# Allegro board AIC8800D80P_EVB_V2-PCB.brd
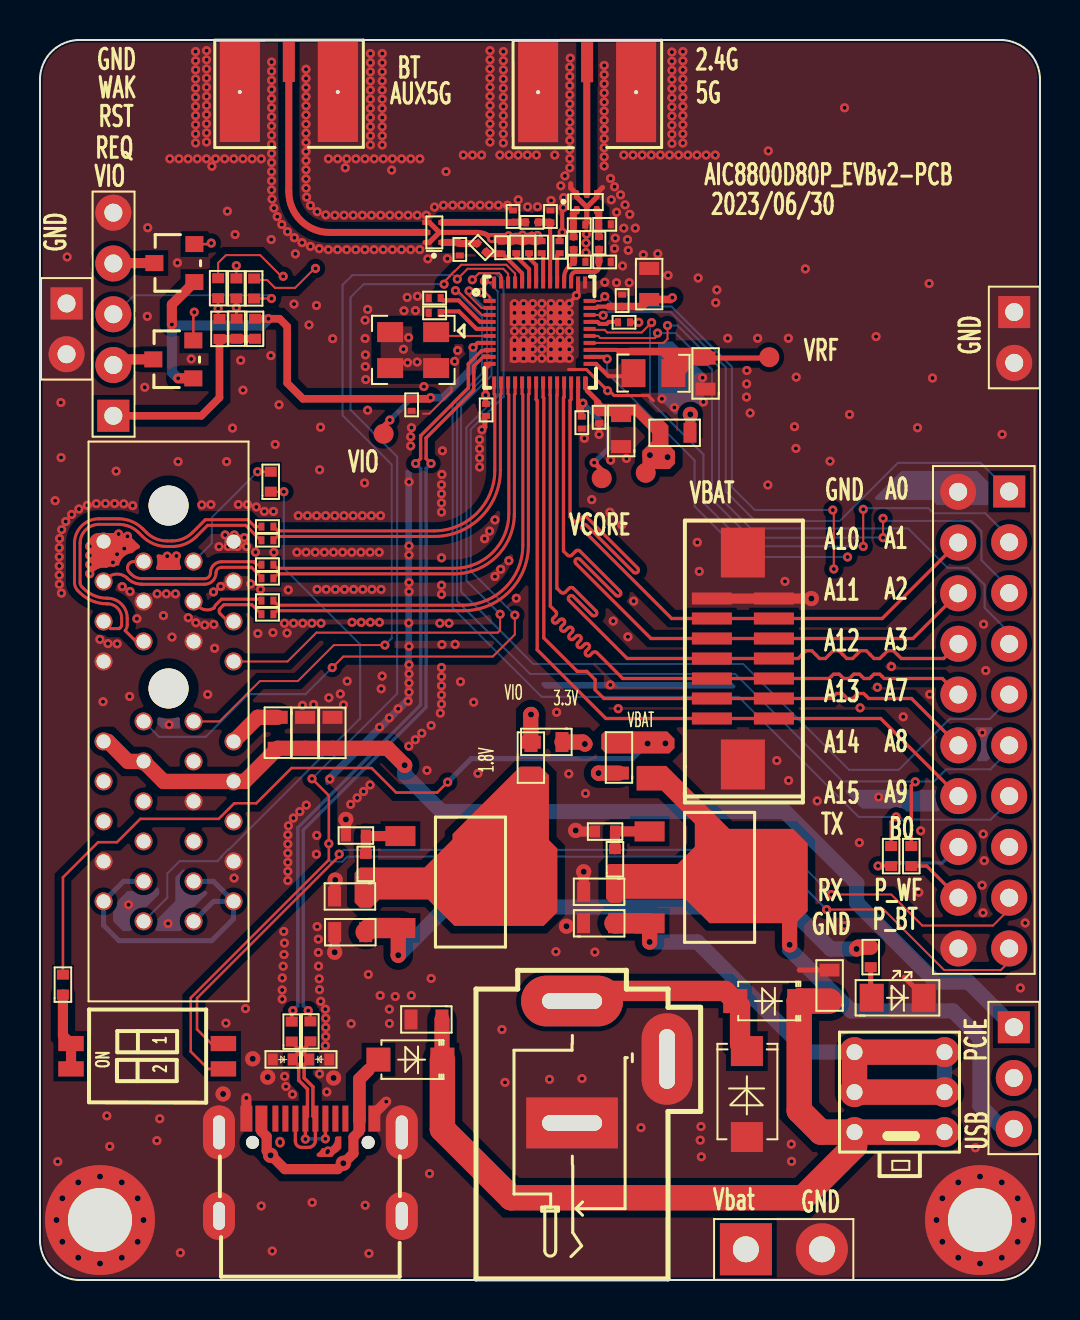
[diagram p0: board, top side]
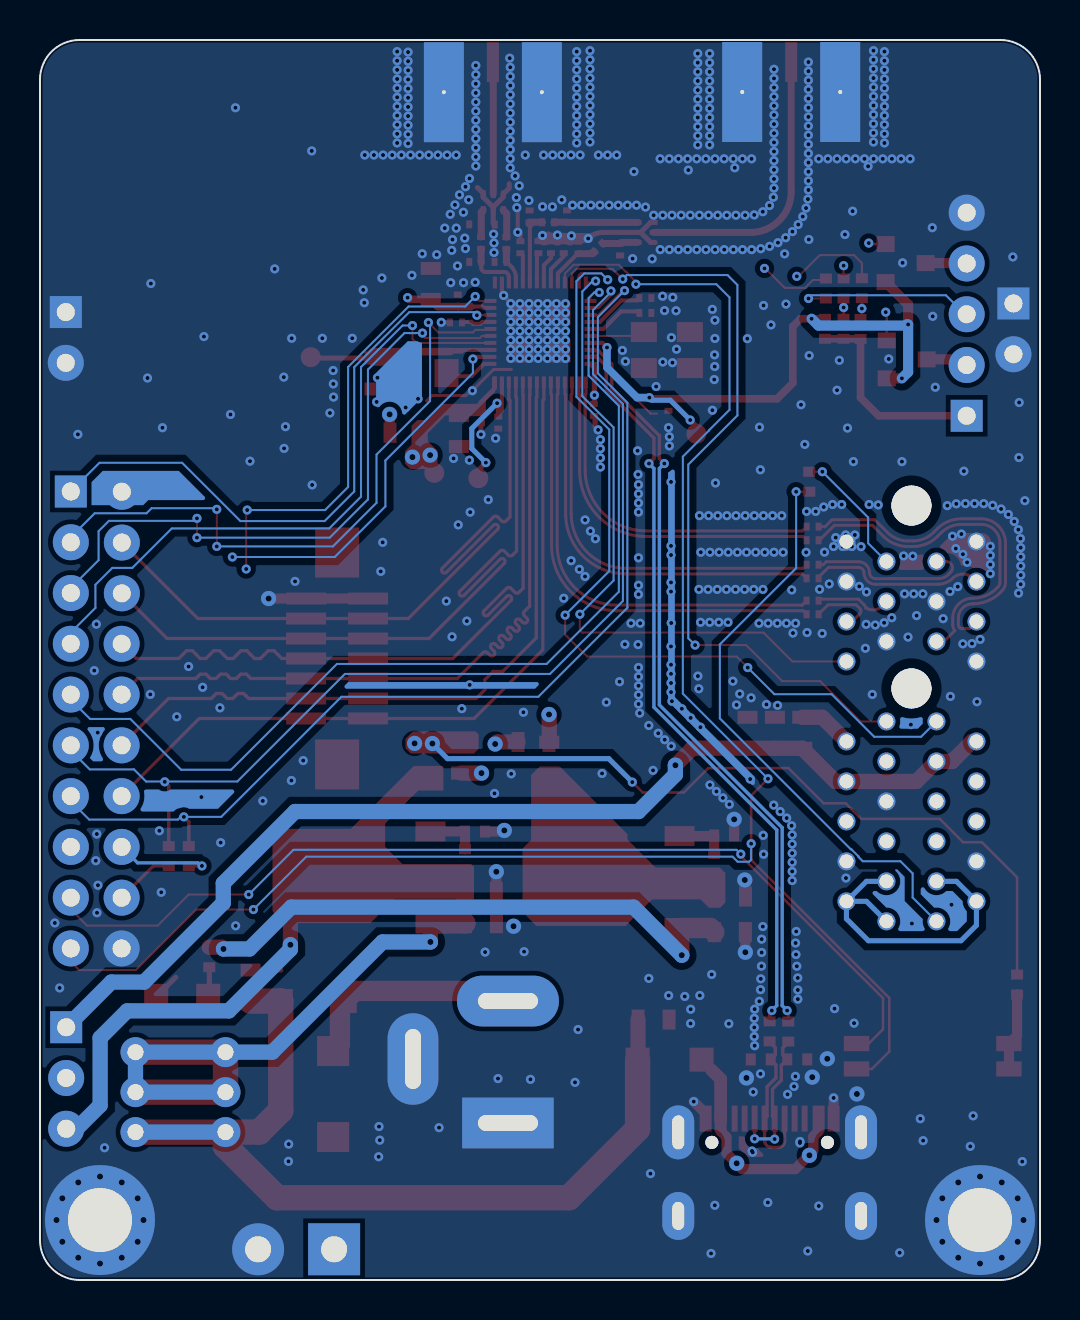
[diagram p1: board, bottom side, seen from below]

Outline 50 x 62.03 mm; copper layers: TOP, L2_GND, L3_VCC, BOTTOM. Coordinates in mm from the lower left corner of the outline.
Outline path: 0,60.05 0,2 arc(0.59,0.59) 2,0 48,0 arc(49.41,0.59) 50,2 50,60.05 arc(49.42,61.45) 48.02,62.03 1.98,62.03 arc(0.58,61.45) 0,60.05

## Design rules (mm)
net group PCIE_CLK_N: nets N17023119 PCIE_CLK_N
net group PCIE_CLK_P: nets N17023116 PCIE_CLK_P
net group PCIE_RX_N: nets N17023107 PCIE_RX_N
net group PCIE_RX_P: nets N17023105 PCIE_RX_P
net group PCIE_TX_N: nets N17023113 PCIE_TX_N
net group PCIE_TX_P: nets N17023110 PCIE_TX_P
net group USB_DM: nets N17026338 USB_DM
net group USB_DP: nets N17026336 USB_DP

## Placement (name value [footprint] x y rotation side)
C1  1uF  [C0201]  24.45 51.67 90 top
C2  1uF  [C0201]  25.08 51.67 270 top
C3  NC  [C0201]  25.52 53.21 90 top
C4  0.5pF  [C0201]  23.65 53.21 90 top
C5  1pF  [C0201]  20.99 51.55 270 top
C6  NC  [C0201]  23.08 51.64 90 top
C7  NC  [C0201]  26.97 50.93 0 top
C8  2pF  [C0201]  26.96 52.79 0 top
C9  NC  [C0201]  28.24 50.93 0 top
C10  0.5pF  [C0201]  28.24 52.81 0 top
C11  1uF  [C0201]  29.2 47.91 180 top
C12  4.7uF  [C0603]  30.46 49.83 270 top
C13  1uF  [C0201]  29.11 48.99 270 top
C14  1uF  [C0201]  19.73 49.12 0 top
C15  1uF  [C0201]  19.73 48.38 0 top
C16  1uF  [C0201]  18.58 43.78 90 top
C17  1uF  [C0201]  22.3 43.53 90 top
C18  1uF  [C0201]  27.09 42.89 90 top
C19  4.7uF  [C0603]  33.27 45.34 90 top
C20  10uF  [C0603]  15.51 17.4 0 top
C21  4.7uF  [C0603]  29.06 42.47 90 top
C22  10uF  [C0603]  19.32 13.03 180 top
C24  10uF  [C0603]  27.96 19.42 180 top
C25  10uF  [C0603]  27.95 17.85 0 top
C26  10uF  [C0603]  15.5 19.18 180 top
C27  1uF  [C0201]  27.95 43.16 90 top
C31  10uF  [C0603]  39.47 14.73 90 top
C39  100nF  [C0201]  11.37 33.3 180 top
C40  100nF  [C0201]  11.37 33.99 180 top
C41  100nF  [C0201]  11.37 35.1 180 top
C42  100nF  [C0201]  11.37 35.78 180 top
C43  0R  [C0201]  11.37 37.01 180 top
C44  0R  [C0201]  11.37 37.69 180 top
C45  2pF  [C0201]  27.95 51.88 90 top
C46  1.2pF  [C0201]  24.59 52.91 180 top
C47  10uF  [C0603]  13.25 27.38 270 top
C48  10uF  [C0603]  14.62 27.38 270 top
CON5  DC-005  [PWC0103-M-C]  26.6 7.86 270 top
D1  RB160M-30  [SOD-123FL_3P2_2P9X1P9]  36.36 13.95 180 top
D2  SMAJ5.0CA  [SMA_4P3_4P5X3P0]  35.34 9.3 90 top
D3  0402ESDA-MLP  [D0402]  13.96 11.03 0 top
D4  0402ESDA-MLP  [D0402]  12.13 11.04 180 top
D5  RB160M-30  [SOD-123FL_3P2_2P9X1P9]  18.52 11.02 180 top
J2  PCIE_1X  [PCIE_1X_36P_DIP]  5.18 17.94 90 top
J3  NC/FPC-LT_7P  [FPC-LT_1P0_7P]  35.14 31.09 90 top
J4  SMA-5P  [SMA_KE_3P_0P2_GAP0P75]  12.44 59.43 270 top
J5  SMA-5P  [SMA_KE_3P_0P2_GAP0P75]  27.36 59.42 270 top
J8  HEADER2  [CON2_3P8_3P8X7P6_TESTPWR]  35.29 1.54 0 top
J9  CON1x2  [CON2_2P54_5P08X2P54]  1.33 48.85 270 top
J13  CON1x2  [CON2_2P54_5P08X2P54]  48.71 48.42 270 top
J14  CON1x5  [CON5_2P54_12P7X2P54]  3.67 43.23 90 top
J15  CON2x10  [CON2X10_2P54_25P4X5P08]  48.46 39.45 270 top
L1  1.2nH  [L0201]  23.81 51.67 270 top
L2  1.4nH  [L0201]  25.98 51.67 90 top
L4  4.7uH  [L0805]  30.67 45.37 0 top
L5  1.8nH  [L0201]  26.68 51.87 90 top
L6  1.5nH  [L0201]  22.08 51.65 315 top
LED1  LED  [LED_0805]  42.89 14.12 0 top
MG1  NC/M_GND  [MG_C5P5_H3P2]  3 3 0 top
MG2  NC/M_GND  [MG_C5P5_H3P2]  47 3 0 top
NOREF  -  []  40.15 57.89 0 top
PQ1  NMOS  [SOT23_1P9_2P8X2P1X0P9]  6.67 46.06 90 top
PQ2  NMOS  [SOT23_1P9_2P8X2P1X0P9]  6.72 50.87 90 top
R4  10K  [R0402]  9.83 47.59 270 top
R5  10K  [R0402]  8.97 47.58 270 top
R7  0R  [R0402]  10.71 49.6 270 top
R8  0R  [R0402]  8.91 49.61 270 top
R12  1k  [R0402]  28.75 21.05 90 top
R13  1.6k  [R0402]  28.25 22.44 180 top
R14  0R  [R0402]  13.52 12.44 90 top
R15  0R  [R0402]  12.59 12.43 90 top
R16  1k  [R0402]  16.29 20.82 90 top
R17  470R  [R0402]  15.79 22.24 180 top
R18  10K  [R0402]  41.53 16.15 270 top
R19  1k  [R0402]  42.56 21.21 90 top
R20  1k  [R0402]  43.56 21.21 90 top
R21  47K  [R0402]  1.15 14.78 90 top
R23  0R  [R0603]  28.94 26.13 90 top
R24  0R  [R0603]  31.73 42.39 0 top
R26  0R/NC  [R0603]  24.54 26.13 90 top
R29  0R  [R0603]  25.32 26.91 180 top
R36  0R  [R0402]  10.75 47.59 90 top
R40  0R  [R0402]  11.54 39.93 90 top
R41  0R  [R0402]  9.82 49.6 270 top
R42  0R/NC  [R0603]  11.89 27.38 90 top
SW2  SW_6P_5.8x5.8mm  [SW-6P_5P8X5P8]  42.98 9.4 270 top
SW3  sw2_1p27_4p2x5p4  [SW2_1P27_4P2X5P4]  5.36 11.19 90 top
SW4  SW KEY-SPDT  [CON3_2P54_7P62X2P54]  48.69 12.65 270 top
T1  Test  [T_C1P0]  30.29 40.38 0 top
T2  Test  [T_C1P0]  17.18 42.33 0 top
T3  Test  [T_C1P0]  28.09 40.11 0 top
T4  Test  [T_C1P0]  36.46 46.16 0 top
U1  SLFD18-5R950G-07  [DP1806_0P5_1P6X0P8]  19.72 52.41 90 top
U2  AMS1117  [SOT-223_4_2P3M_6P7X10M]  37.48 20.14 270 top
U3  TYPE_C_USB  [USB_TYPE-C_16PIN]  13.52 7.98 0 top
U4  AMS1117  [SOT-223_4_2P3M_6P7X10M]  25.02 19.91 270 top
U8  AIC8800D80P  [QFN48-F-4EP_0P35_5X5X0P75]  24.98 47.4 0 top
U9  SLFD18-5R950G-07  [DP1806_0P5_1P6X0P8]  27.34 53.92 0 top
Y1  40MHz  [OSC-4_3225_3P2X2P5X0P7]  18.66 46.52 180 top

## Library data of the parts
C1-C21 C24-C27 C45-C48 = C_SMT
C22 C31 = CAP NP
C39-C42 = C_SMT: signal model: C_SMT_C0201_100NF_100nF
C43 C44 = C_SMT: signal model: C_SMT_C0201_10NF_10nF
CON5 = CON_DC005
D1 D5 = DIODE
D2 = TVS
D3 D4 = DIODE_TVS_BIDIR
J2 = PCIE_1X
J3 = FPC-LT_7P
J4 J5 = SMA-5P
J8 J9 J13 = CON1x2
J14 = CON1x5
J15 = CON2x10
L1 L2 L4-L6 = INDUCTOR
LED1 = LED
MG1 MG2 = M_GND
PQ1 PQ2 = NMOS
R4 R5 R7 R8 R12 R13 R16-R21 R23 R24 R26 R29 R36 R40-R42 = R_SMT
R14 R15 = R_SMT: signal model: R_SMT_R0402_0R_0R
SW2 = SW_6P_5.8x5.8mm
SW3 = sw2_1p27_4p2x5p4
SW4 = SW KEY-SPDT
T1-T4 = Test
U1 U9 = DP1608
U2 U4 = ASM1117
U3 = USB_TYPE-C_16p
U8 = AIC8800D80P
Y1 = 26MHz

## Footprints (pads in the part's own frame, mm; a bottom-side part is the same pattern mirrored in y, then rotated)
C0201
  rect 0.3x0.4 smd: 1(-0.3,0) 2(0.3,0)
C0603
  rect 0.65x1 smd: 1(-0.775,0) 2(0.775,0)
CON2_2P54_5P08X2P54
  rect 1.6x1.6 hole 0.9: 1(0,0)
  round 1.8 hole 0.9: 2(2.54,0)
CON2_3P8_3P8X7P6_TESTPWR
  rect 2.6x2.6 hole 1.3: 1(0,0)
  round 2.6 hole 1.3: 2(3.8,0)
CON2X10_2P54_25P4X5P08
  rect 1.6x1.6 hole 0.9: 1(0,0)
  round 1.8 hole 0.9: 2(0.015,-2.552) 3(2.54,0) 4(2.555,-2.552) 5(5.08,0) 6(5.095,-2.552) 7(7.62,0) 8(7.62,-2.54) 9(10.16,0) 10(10.16,-2.54) 11(12.7,0) 12(12.7,-2.54) 13(15.24,0) 14(15.24,-2.54) 15(17.78,0) 16(17.78,-2.54) 17(20.32,0) 18(20.32,-2.54) 19(22.86,0) 20(22.86,-2.54)
CON3_2P54_7P62X2P54
  rect 1.6x1.6 hole 0.9: 1(0,0)
  round 1.8 hole 0.9: 2(2.54,0) 3(5.08,0)
CON5_2P54_12P7X2P54
  rect 1.6x1.6 hole 0.9: 1(0,0)
  round 1.8 hole 0.9: 2(2.54,0) 3(5.08,0) 4(7.62,0) 5(10.16,0)
D0402
  rect 0.5x0.6 smd: 1(-0.5,0) 2(0.5,0)
DP1806_0P5_1P6X0P8
  rect 0.25x0.4 smd: 1(-0.5,-0.4) 3(0.5,-0.4) 4(0.5,0.4) 5(0,0.4)
  oval 0.25x0.4 smd: 2(0,-0.4) 6(-0.5,0.4)
FPC-LT_1P0_7P
  rect 0.6x2 smd: 1(-3,1.55) 2(-2,1.55) 3(-1,1.55) 4(0,1.55) 5(1,1.55) 6(2,1.55) 7(3,1.55) 8(-3,-1.55) 9(-2,-1.55) 10(-1,-1.55) 11(0,-1.55) 12(1,-1.55) 13(2,-1.55) 14(3,-1.55)
  rect 2.5x2.2 smd: 15(-5.3,0) 16(5.3,0)
L0201
  rect 0.3x0.4 smd: 1(-0.3,0) 2(0.3,0)
L0805
  rect 1.2x1.4 smd: 1(-1,0) 2(1,0)
LED_0805
  rect 1.2x1.4 smd: 1(1.3,0) 2(-1.3,0)
MG_C5P5_H3P2
  round 5.5 hole 3.2: 1(0,0)
OSC-4_3225_3P2X2P5X0P7
  rect 1.3x1 smd: 1(-1.15,-0.9) 2(1.15,-0.9) 3(1.15,0.9) 4(-1.15,0.9)
PCIE_1X_36P_DIP
  round 2 hole 2.35 unplated: (11.65,-1.25) (20.8,-1.25)
  round 0.9 hole 0.7: A1(0,0) A2(1,2) A3(2,0) A4(3,2) A5(4,0) A6(5,2) A7(6,0) A8(7,2) A9(8,0) A10(9,2) A11(10,0) A12(13,2) A13(14,0) A14(15,2) A15(16,0) A16(17,2) A17(18,0) A18(19,2) B1(0,-2.5) B2(1,-4.5) B3(2,-2.5) B4(3,-4.5) B5(4,-2.5) B6(5,-4.5) B7(6,-2.5) B8(7,-4.5) B9(8,-2.5) B10(9,-4.5) B11(10,-2.5) B12(13,-4.5) B13(14,-2.5) B14(15,-4.5) B15(16,-2.5) B16(17,-4.5) B17(18,-2.5) B18(19,-4.5)
PWC0103-M-C
  rect 2.54x4.58 hole 0.8x3: 1(0,0)
  oval 2.54x5.1 hole 0.8x3: 2(-6.1,0)
  oval 4.58x2.54 hole 3x0.8: 3(-3.2,4.75)
QFN48-F-4EP_0P35_5X5X0P75
  rect 0.6x0.2 smd: 1(-2.5,1.575) 2(-2.5,1.225) 3(-2.5,0.875) 4(-2.5,0.525) 5(-2.5,0.175) 6(-2.5,-0.175) 7(-2.5,-0.525) 8(-2.5,-0.875) 9(-2.5,-1.225) 10(-2.5,-1.575) 25(2.5,-1.575) 26(2.5,-1.225) 27(2.5,-0.875) 28(2.5,-0.525) 29(2.5,-0.175) 30(2.5,0.175) 31(2.5,0.525) 32(2.5,0.875) 33(2.5,1.225) 34(2.5,1.575)
  rect 0.2x0.6 smd: 11(-2.275,-2.5) 12(-1.925,-2.5) 13(-1.575,-2.5) 14(-1.225,-2.5) 15(-0.875,-2.5) 16(-0.525,-2.5) 17(-0.175,-2.5) 18(0.175,-2.5) 19(0.525,-2.5) 20(0.875,-2.5) 21(1.225,-2.5) 22(1.575,-2.5) 23(1.925,-2.5) 24(2.275,-2.5) 35(2.275,2.5) 36(1.925,2.5) 37(1.575,2.5) 38(1.225,2.5) 39(0.875,2.5) 40(0.525,2.5) 41(0.175,2.5) 42(-0.175,2.5) 43(-0.525,2.5) 44(-0.875,2.5) 45(-1.225,2.5) 46(-1.575,2.5) 47(-1.925,2.5) 48(-2.275,2.5)
  rect 1.15x1.15 smd: 49(-0.925,0.925) 50(0.925,0.925) 51(-0.925,-0.925) 52(0.925,-0.925)
R0402
  rect 0.5x0.6 smd: 1(-0.5,0) 2(0.5,0)
R0603
  rect 0.65x1 smd: 1(-0.775,0) 2(0.775,0)
SMA_4P3_4P5X3P0
  rect 1.5x1.6 smd: 1(-2.15,0) 2(2.15,0)
SMA_KE_3P_0P2_GAP0P75
  rect 2x0.6 smd: 1(-1.5,0)
  rect 5x2 hole 0.2: 2(0,2.45) 3(0,-2.45)
SOD-123FL_3P2_2P9X1P9
  rect 1.2x1.2 smd: 1(-1.6,0) 2(1.6,0)
SOT23_1P9_2P8X2P1X0P9
  rect 0.8x0.9 smd: 1(-0.95,-1) 2(0.95,-1) 3(0,1)
SOT-223_4_2P3M_6P7X10M
  rect 1x1.5 smd: 1(-2.3,-7) 2(0,-7) 3(2.3,-7)
  rect 3.2x1.5 smd: 4(0,0)
SW2_1P27_4P2X5P4
  rect 0.76x1.27 smd: 1(-0.635,3.81) 2(-0.635,-3.81) 3(0.635,3.81) 4(0.635,-3.81)
SW-6P_5P8X5P8
  round 1.5 hole 0.8: 1(-2,-2.25) 2(0,-2.25) 3(2,-2.25) 4(-2,2.25) 5(0,2.25) 6(2,2.25)
T_C1P0
  round 1 smd: 1(0,0)
USB_TYPE-C_16PIN
  round 0.65 hole 0.65: (-2.89,-1.09) (2.89,-1.09)
  rect 0.6x1.3 smd: A1B12(-3.2,0.1) A4B9(-2.45,0.1) B1A12(3.2,0.1) B4A9(2.45,0.1)
  rect 0.3x1.3 smd: A5(-1.25,0.1) A6(-0.25,0.1) A7(0.25,0.1) A8(1.25,0.1) B5(1.75,0.1) B6(0.75,0.1) B7(-0.75,0.1) B8(-1.75,0.1)
  oval 1.6x2.7 hole 0.6x1.7: G1(-4.57,-0.59) G2(4.57,-0.59)
  oval 1.6x2.4 hole 0.6x1.4: G3(4.57,-4.77) G4(-4.57,-4.77)

## Nets
+12V: J2.A2(+12V#A2) J2.A3(+12V#A3) J2.B1(+12V#B1) J2.B2(+12V#B2) J2.B3(+12V#B3)
AVDD18: C15.2 U8.5(AVDD18)
AVDD33_PA: C12.2 C13.2 R24.2 U8.33(AVDD33_PA)
GND: C1.2 C2.1 C3.2 C4.2 C5.2 C6.2 C7.2 C8.2 C9.2 C10.2 C11.1 C12.1 C13.1 C14.1 C15.1 C16.1 C17.1 C18.1 C19.1 C20.1 C21.1 C22.2 C24.2 C25.1 C26.2 C27.1 C31.2 C47.1 C48.1 CON5.1(G2) CON5.3(G1) D2.1(A) D3.2(A2) D4.2(A2) J2.A4(GND#A4) J2.A12(GND#A12) J2.A15(GND#A15) J2.A18(GND#A18) J2.B4(GND#B4) J2.B7(GND#B7) J2.B13(GND#B13) J2.B16(GND#B16) J2.B18(GND#B18) J3.7 J3.14 J3.15 J3.16 J4.2 J4.3 J5.2 J5.3 J8.2 J9.1 J9.2 J13.1 J13.2 J14.5 J15.2 J15.20 L1.1 L2.2 LED1.1(CATHODE) MG1.1 MG2.1 R13.2 R17.2 U1.2(G#2) U1.4(G#4) U1.6(G#6) U3.A1B12(GND#A1B12) U3.B1A12(GND#B1A12) U3.G1 U3.G2 U3.G3 U3.G4 U8.35(AVSS#35) U8.36(AVSS#36) U8.49(EP#49) U8.50(EP#50) U8.51(EP#51) U8.52(EP#52) U9.2(G#2) U9.4(G#4) U9.6(G#6) Y1.2 Y1.3 Y1.4
VBAT: C21.2 C27.2 J8.1 R21.2 R23.2 R24.1 T1.1 U8.24(VBAT)
VCC5V: C25.2 SW2.1 SW2.2 SW2.4 SW2.5 U2.3(IN)
VCC5V_IN: C22.1 C31.1 D1.1(K) D5.1(K) SW2.3 SW2.6
VCC18: C26.1 R16.1 R26.1 U4.2(OUT) U4.4(OUT2)
VCC33: C20.2 R18.1 R23.1 R29.1 SW4.2(COMMON) U4.3(IN)
VCC33_P: C47.2 C48.2 J2.A9(+3.3V#A9) J2.A10(+3.3V#A10) J2.B8(+3.3V#B8) R42.1 SW4.1(NC)
VCC33_U: C24.1 R12.1 SW4.3(NO) U2.2(OUT) U2.4(OUT2)
BT_ANT: C5.1 L6.1 U1.1(TR_2)
BT_AUX_ANT: J4.1 U1.5(RF_IN)
BT_DVDD: C1.1 U8.42(DVDD_BT)
BT_IND: L1.2 U8.43(BT_IND)
DECAP0: C11.2 U8.31(AVDD0)
DECAP1: C2.2 U8.41(AVDD1)
DECAP2: C14.2 U8.4(AVDD2)
GPIOA0: J15.1 U8.32(GPIOA0)
GPIOA1: J15.3 U8.30(GPIOA1)
GPIOA2: J15.5 U8.29(GPIOA2)
GPIOA3: J15.7 U8.28(GPIOA3)
GPIOA7: J15.9 U8.1(GPIOA7)
GPIOA8: J15.11 R20.2 U8.2(GPIOA8)
GPIOA9: J15.13 R19.2 U8.3(GPIOA9)
GPIOA10: J3.6 J3.13 J15.4 U8.22(GPIOA10)
GPIOA11: J3.5 J3.12 J15.6 U8.21(GPIOA11)
GPIOA12: J3.4 J3.11 J15.8 U8.20(GPIOA12)
GPIOA13: J3.3 J3.10 J15.10 U8.19(GPIOA13)
GPIOA14: J3.2 J3.9 J15.12 U8.18(GPIOA14)
GPIOA15: J3.1 J3.8 J15.14 U8.17(GPIOA15)
GPIOB0: J15.15 U8.26(GPIOB0)
PCIE_CLK_N: C44.2 J2.A14(REFCLK-)
PCIE_CLK_P: C43.2 J2.A13(REFCLK+)
PCIE_PERST_N: J2.A11(P\E\R\S\T\) R7.1 U8.47(GPIOA5)
PCIE_REQ_N: J2.B12(C\L\K\R\E\Q\) R8.1 U8.48(GPIOA6)
PCIE_RX_N: C40.2 J2.B15(PETNO)
PCIE_RX_P: C39.2 J2.B14(PETPO)
PCIE_TX_N: C42.2 J2.A17(PERNO)
PCIE_TX_P: C41.2 J2.A16(PERPO)
PCIE_WAKE_N: J2.B11(W\A\K\E\) R41.1 U8.46(GPIOA4)
PRSNT2N: J2.B17(P\R\S\N\T\2\) R40.2
PWR_BT: J15.19 SW3.2 U8.45(PWR_BT)
PWR_WF: J15.17 SW3.4 U8.34(PWR_WF)
USB_DM: R14.2 U8.9(USB_DM)
USB_DP: R15.2 U8.8(USB_DP)
V_RF: C19.2 L4.2 T4.1 U8.27(V_RF)
VCORE: C17.2 C18.2 T3.1 U8.10(V_CORE#10) U8.23(V_CORE#23)
VIO: C16.2 PQ1.1(G) PQ2.1(G) R26.2 R29.2 R36.2 T2.1 U8.7(VIO)
WF_5G_ANT: C10.1 C45.2 U9.3(TR_5)
WF_24G_ANT: C8.1 L5.2 U9.1(TR_2)
WF_AUX5G_ANT: C4.1 C46.2 U1.3(TR_5)
WF_IND: L2.1 U8.39(WF_IND2G4)
WL_ANT: J5.1 U9.5(RF_IN)
XTAL0: U8.6(XTAL0) Y1.1
N17021817: C9.1 C45.1 U8.37(WF_RF5G)
N17021821: C7.1 L5.1 U8.38(WF_RF2G4)
N17021825: C3.1 C46.1 U8.40(WF_AUX5G)
N17021833: C6.1 L6.2 U8.44(BT_RF)
N17022732: L4.1 U8.25(SW)
N17023105: C39.1 U8.16(PCIE_RX_P)
N17023107: C40.1 U8.15(PCIE_RX_N)
N17023110: C41.1 U8.14(PCIE_TX_P)
N17023113: C42.1 U8.13(PCIE_TX_N)
N17023116: C43.1 U8.12(PICE_CLK_P)
N17023119: C44.1 U8.11(PCIE_CLK_N)
N17026336: D4.1(A1) R15.1 U3.A6(DP1) U3.B6(DP2)
N17026338: D3.1(A1) R14.1 U3.A7(DN1) U3.B7(DN2)
N17026340: D5.2(A) U3.A4B9(VBUS#A4B9) U3.B4A9(VBUS#B4A9)
N17028175: R12.2 R13.1 U2.1(ADJ)
N17028269: R16.2 R17.1 U4.1(ADJ)
N17061968: J2.A1(P\R\S\N\T\1\) R40.1
N17075980: J15.16 R19.1
N17075982: J15.18 R20.1
N17092547: R21.1 SW3.1 SW3.3
N17093697: CON5.2(P) D1.2(A) D2.2(K)
N17096512: PQ1.2(S) R4.1 R41.2
N17096546: J14.1 R4.2 R5.2 R36.1
N17096564: PQ2.2(S) R5.1 R8.2
N17096578: J14.3 R7.2
N17097504: J14.2 PQ1.3(D)
N17097756: J2.B10(3.3V_AUX) R42.2
N17099328: J14.4 PQ2.3(D)
N17102199: LED1.2(ANODE) R18.2

Pads without a net: J2 A5 A6 A7 A8 B5 B6 B9; U3 A5 A8 B5 B8

## Via types
v1: diameter 0.762, hole 0.305, TOP to BOTTOM, 50 vias
v2: diameter 0.457, hole 0.203, TOP to BOTTOM, 755 vias

## Routing (per net, layer and track width the routed paths; a pad name or vN(x,y) marks a point on that pad's centre or on a via; arc(x,y) is an arc through that point)
+12V: length 16.6
  BOTTOM w0.254: J2.A3 4.18,19.94 J2.A2 3.18,17.74 3.95,16.97 8.58,16.97 9.68,18.07 J2.B2 ; J2.B3 8.68,19.94 J2.B2 ; J2.B2 8.68,18.94 J2.B1
AVDD18: length 2.8
  TOP w0.203: C15.2 20.11,48.45 20.95,48.45 21.83,47.58 U8.5
AVDD33_PA: length 11.8
  TOP w0.203: 28.46,48.69 27.88,48.69 27.82,48.63 U8.33
  TOP w0.381: v2(31.62,49.14) 31.53,49.05 C12.2 30.1,48.69 C13.2 28.46,48.69
  TOP w0.508: R24.2 32.52,42.4 v1(32.52,43.3)
  L3_VCC w0.508: v1(32.52,43.3) 32.45,43.38 32.45,45.65 32.72,45.92 32.72,48.17 31.74,49.14 v2(31.62,49.14)
GND: length 37.1
  TOP w0.102: 19.16,43.34 19.46,43.34 20.57,44.45 20.57,44.64
  TOP w0.152: 30.67,43.99 30.41,44.25 28.7,44.25 28.46,44.49 v2(28.38,44.49) 27.32,45.55 26.43,45.55
  TOP w0.203: U8.50 26.91,49.33 26.91,49.43 ; L2.2 25.98,52.28 v2(26.11,52.42) 26.11,53.6 v2(26.16,53.64) ; 26.91,49.43 U8.36 ; 26.91,49.43 26.71,49.24 ; C11.1 v2(29.94,47.91)
  TOP w0.254: 27.34,53.67 27.84,54.17 U9.4 27.84,54.36 28.13,54.65 ; 27.34,53.67 26.84,54.17 U9.6 26.54,54.62 26.54,54.84 ; 27.34,53.67 U9.2 27.34,52.87 C8.2 ; 19.97,52.41 19.47,52.91 U1.4 ; 19.97,52.41 U1.2 21.86,52.41 arc(22.26,52.33) v2(22.59,52.1) ; 19.97,52.41 19.97,52.41 19.47,51.91 U1.6 ; 43.21,15.15 44.19,14.17 LED1.1 ; v2(24.87,52.25) 25.08,52.04 C2.1 ; C17.1 22.24,43.16 22.24,42.67 v2(22.09,42.53) ; C27.1 v2(27.95,42.3) ; C31.2 37.97,15.51
  TOP w0.508: v2(10.32,9.11) U3.A1B12 ; v1(26.78,22.49) 26.84,22.44 R13.2 ; C26.2 14.73,19.98 v1(14.76,20.01) ; C20.1 v1(14.73,16.4) ; v1(38.57,34.09) J3.14 J3.7 ; C24.2 v1(27.18,20.42) ; R17.2 v1(15.29,23.05) ; U3.B1A12 16.72,8.33 v2(17.31,8.93)
  L2_GND w0.127: 21.14,47.01 21.17,47.04 22.24,47.04
  vias: v1(0.82,3) v1(1.12,4.09) v1(1.12,1.91) v1(1.91,4.88) v1(1.91,1.12) v1(3,5.17) v1(3,0.82) v1(4.09,4.88) v1(4.09,1.12) v1(4.88,4.09) v1(4.88,1.91) v1(5.17,3) v1(9.16,9.31) v1(10.64,11.07) v1(11.39,10.15) v1(14.68,10.11) v1(26.32,17.7) v1(44.83,3) v1(45.12,4.09) v1(45.12,1.91) v1(45.91,4.88) v1(45.91,1.12) v1(47,5.17) v1(47,0.82) v1(48.09,4.88) v1(48.09,1.12) v1(48.88,4.09) v1(48.88,1.91) v1(49.18,3) v2(0.76,38.99) v2(0.89,5.92) v2(1.04,43.9) v2(0.98,37.09) v2(0.96,36.63) v2(0.96,36.18) v2(0.96,35.72) v2(0.96,35.26) v2(0.97,34.81) v2(1.05,41.14) v2(1.08,37.54) v2(1.07,34.36) v2(1.29,37.95) v2(1.36,51.18) v2(1.58,38.3) v2(1.95,38.57) v2(2.37,38.75) v2(2.49,36.7) v2(2.49,36.25) v2(2.49,35.79) v2(2.49,35.33) v2(2.82,38.84) v2(3,32.05) v2(3.15,28.93) v2(3.27,38.84) v2(3.34,8.21) v2(3.4,31.84) v2(3.49,6.69) v2(3.65,35.9) v2(3.73,38.84) v2(3.81,40.46) v2(3.93,37.32) v2(3.85,36.31) v2(3.86,31.82) v2(4.11,34.69) v2(4.19,38.83) v2(4.21,36.59) v2(4.37,37.21) v2(4.43,18.77) v2(4.5,34.44) v2(4.48,29.19) v2(4.63,38.74) v2(4.84,33.08) v2(5.24,44.66) v2(5.39,52.64) v2(5.36,48.21) v2(5.84,6.97) v2(5.86,34.33) v2(5.99,8.07) v2(6.17,33.24) v2(6.32,34.33) v2(6.36,36.21) v2(6.4,17.83) v2(6.49,56.09) v2(6.46,27.78) v2(6.6,32.16) v2(6.82,36.22) v2(6.77,34.33) v2(6.95,56.09) v2(6.87,50.88) v2(6.9,40.94) v2(7.02,1.36) v2(7.41,56.09) v2(7.41,33.13) v2(7.56,46.08) v2(7.78,61.45) v2(7.78,60.99) v2(7.78,60.54) v2(7.78,60.08) v2(7.78,59.62) v2(7.78,59.17) v2(7.78,58.71) v2(7.78,58.25) v2(7.78,57.79) v2(7.78,57.34) v2(7.78,56.88) v2(7.79,32.88) v2(7.86,56.09) v2(8.09,38.77) v2(8.24,32.76) v2(8.33,61.5) v2(8.33,61.04) v2(8.33,60.58) v2(8.33,60.13) v2(8.33,59.67) v2(8.33,59.21) v2(8.33,58.76) v2(8.33,58.3) v2(8.33,57.84) v2(8.33,57.38) v2(8.33,56.93) v2(8.32,56.09) v2(8.39,29.29) v2(8.54,38.79) v2(8.6,55.71) v2(8.68,34.42) v2(8.69,32.8) v2(8.73,31.6) v2(8.78,56.09) v2(8.95,36.69) v2(9.04,34.7) v2(9.23,56.09) v2(9.33,40.94) v2(9.26,37.27) v2(9.3,12.85) v2(9.37,53.47) v2(9.41,36.69) v2(9.63,42.62) v2(9.69,56.09) v2(9.71,37.27) v2(9.7,20.11) v2(9.75,52.3) v2(9.92,38.79) v2(9.86,36.69) v2(10.03,46.01) v2(10.15,56.09) v2(10.15,44.51) v2(10.21,37.14) v2(10.32,36.69) v2(10.27,13.58) v2(10.37,38.79) v2(10.54,34.82) v2(10.61,56.09) v2(10.81,38.67) v2(10.78,36.41) v2(10.89,32.34) v2(11.02,34.55) v2(11.06,56.09) v2(11.06,3.7) v2(11.21,38.45) v2(11.54,46.24) v2(11.58,60.93) v2(11.58,60.47) v2(11.58,60.01) v2(11.58,59.56) v2(11.58,59.1) v2(11.58,58.64) v2(11.58,58.19) v2(11.58,57.73) v2(11.58,57.27) v2(11.58,56.81) v2(11.58,56.36) v2(11.58,55.9) v2(11.58,55.44) v2(11.58,54.99) v2(11.58,54.53) v2(11.6,54.07) v2(11.56,52.05) v2(11.65,32.39) v2(11.61,1.45) v2(11.7,53.62) v2(11.67,38.45) v2(11.69,36.4) v2(11.76,41.8) v2(11.86,53.2) v2(11.95,43.79) v2(12,6.93) v2(12,6.86) v2(12.09,52.8) v2(12.11,15.11) v2(12.11,14.51) v2(12.11,14.05) v2(12.22,32.86) v2(12.19,17.44) v2(12.22,16.86) v2(12.2,16.28) v2(12.16,15.7) v2(12.23,10.19) v2(12.3,9.68) v2(12.38,52.45) v2(12.41,34.52) v2(12.35,32.36) v2(12.42,22.72) v2(12.39,22.27) v2(12.39,21.81) v2(12.39,21.35) v2(12.39,20.9) v2(12.39,20.44) v2(12.39,19.98) v2(12.62,9.29) v2(12.72,52.14) v2(12.7,48.82) v2(12.68,32.86) v2(12.67,23.11) v2(12.77,51.33) v2(12.84,36.41) v2(12.91,38.24) v2(12.99,23.43) v2(13.1,51.89) v2(13.14,32.86) v2(13.12,28.75) v2(13.3,60.57) v2(13.3,60.11) v2(13.3,59.65) v2(13.3,59.2) v2(13.3,58.74) v2(13.3,58.28) v2(13.3,57.82) v2(13.3,57.37) v2(13.3,56.91) v2(13.3,56.45) v2(13.3,55.99) v2(13.3,55.54) v2(13.3,55.08) v2(13.3,54.62) v2(13.33,54.17) v2(13.3,36.41) v2(13.31,23.76) v2(13.37,38.24) v2(13.52,53.75) v2(13.52,51.71) v2(13.45,47.78) v2(13.59,32.86) v2(13.61,3.88) v2(13.68,28.79) v2(13.82,48.75) v2(13.83,38.24) v2(13.76,36.41) v2(13.84,22.24) v2(13.82,21.3) v2(13.86,53.44) v2(13.85,34.55) v2(13.86,17.68) v2(13.92,17.05) v2(13.92,16.38) v2(13.93,15.7) v2(13.96,51.59) v2(14.03,42.66) v2(13.98,40.53) v2(14.05,32.86) v2(13.96,15.07) v2(13.97,14.52) v2(14.04,13.94) v2(13.98,10.31) v2(14.22,36.41) v2(14.29,53.28) v2(14.28,38.24) v2(14.31,34.55) v2(14.27,13.55) v2(14.29,13.09) v2(14.29,12.64) v2(14.29,12.18) v2(14.27,11.72) v2(14.34,9.41) v2(14.42,56.09) v2(14.42,51.55) v2(14.44,29.13) v2(14.4,6.45) v2(14.36,6.39) v2(14.49,25.06) v2(14.63,47.09) v2(14.74,53.27) v2(14.74,38.24) v2(14.67,36.41) v2(14.77,34.55) v2(14.88,56.09) v2(14.87,51.54) v2(15.01,29.32) v2(15.13,36.41) v2(15.2,53.27) v2(15.2,38.24) v2(15.22,34.55) v2(15.17,28.77) v2(15.34,56.09) v2(15.26,55.64) v2(15.33,51.54) v2(15.36,29.96) v2(15.53,23.8) v2(15.59,36.41) v2(15.6,32.9) v2(15.56,12.82) v2(15.66,53.27) v2(15.66,38.24) v2(15.68,34.55) v2(15.79,56.09) v2(15.79,51.54) v2(15.86,24.12) v2(16.05,36.41) v2(16.12,53.27) v2(16.11,38.24) v2(16.14,34.55) v2(16.06,32.9) v2(16.25,51.54) v2(16.23,39.87) v2(16.18,24.44) v2(16.25,56.09) v2(16.25,48.01) v2(16.25,47.1) v2(16.27,46.28) v2(16.26,45.7) v2(16.29,45.04) v2(16.26,3.74) v2(16.38,48.56) v2(16.38,43.51) v2(16.42,15.29) v2(16.45,1.33) v2(16.52,61.35) v2(16.52,60.9) v2(16.52,60.44) v2(16.52,59.98) v2(16.52,59.53) v2(16.52,59.07) v2(16.52,58.61) v2(16.52,58.15) v2(16.52,57.7) v2(16.52,57.24) v2(16.52,56.78) v2(16.5,36.41) v2(16.52,32.9) v2(16.5,24.76) v2(16.57,53.27) v2(16.57,38.24) v2(16.6,34.55) v2(16.71,56.09) v2(16.7,51.54) v2(17.03,53.27) v2(17.03,38.24) v2(16.96,36.41) v2(16.97,32.9) v2(16.98,27.66) v2(17.01,14.23) v2(17.11,61.35) v2(17.11,60.9) v2(17.11,60.44) v2(17.11,59.98) v2(17.11,59.53) v2(17.11,59.07) v2(17.11,58.61) v2(17.11,58.15) v2(17.11,57.7) v2(17.11,57.24) v2(17.11,56.78) v2(17.05,34.55) v2(17.11,30.21) v2(17.06,29.58) v2(17.17,56.09) v2(17.16,51.54) v2(17.49,53.27) v2(17.47,28.12) v2(17.47,13.55) v2(17.47,12.83) v2(17.62,56.09) v2(17.58,55.52) v2(17.62,51.54) v2(17.76,14.19) v2(17.95,53.27) v2(17.91,28.58) v2(18.08,56.09) v2(18.07,51.54) v2(18.2,48.49) v2(18.17,46.56) v2(18.4,53.27) v2(18.36,49.16) v2(18.43,47.15) v2(18.38,45.89) v2(18.44,32.87) v2(18.4,28.95) v2(18.44,26.7) v2(18.54,56.09) v2(18.53,51.54) v2(18.53,42.18) v2(18.53,41.73) v2(18.45,39.92) v2(18.45,36.72) v2(18.45,36.27) v2(18.45,34.9) v2(18.45,34.44) v2(18.45,31.69) v2(18.45,30.78) v2(18.45,30.32) v2(18.45,29.87) v2(18.45,29.41) v2(18.57,42.64) v2(18.57,14.23) v2(18.77,48.49) v2(18.77,27.03) v2(18.86,53.27) v2(18.87,49.21) v2(18.86,45.92) v2(18.99,56.09) v2(18.99,51.54) v2(19.09,27.35) v2(19.19,44.7) v2(19.32,53.27) v2(19.35,25.49) v2(19.39,51.08) v2(19.48,5.32) v2(19.56,27.74) v2(19.56,15.09) v2(19.73,53.67) v2(19.99,32.86) v2(20.02,28.36) v2(20.12,41.48) v2(20.1,40.3) v2(20.07,39.79) v2(20.07,39.33) v2(20.07,38.87) v2(20.07,38.41) v2(20.07,36.13) v2(20.07,34.76) v2(20.07,34.3) v2(20.1,31.79) v2(20.07,30.64) v2(20.07,30.18) v2(20.07,29.73) v2(20.07,29.27) v2(20.07,28.81) v2(20.17,53.77) v2(20.3,55.45) v2(20.37,51.09) v2(20.45,32.86) v2(20.63,53.77) v2(20.73,45.96) v2(20.75,31.8) v2(20.88,46.5) v2(21.02,29.93) v2(21.09,53.77) v2(21.17,56.28) v2(21.55,53.77) v2(21.62,56.28) v2(21.68,28.9) v2(21.9,25.34) v2(22,53.77) v2(21.98,42.04) v2(21.98,41.58) v2(21.98,41.12) v2(21.98,40.67) v2(22.08,56.28) v2(22.23,37.08) v2(22.5,61.5) v2(22.5,61.04) v2(22.5,60.58) v2(22.5,60.13) v2(22.5,59.67) v2(22.5,59.21) v2(22.5,58.76) v2(22.5,58.3) v2(22.5,57.84) v2(22.5,57.38) v2(22.5,56.93) v2(22.46,53.77) v2(22.48,37.47) v2(22.75,38.02) v2(22.75,35.19) v2(22.92,53.77) v2(22.99,56.28) v2(23.03,35.55) v2(23.1,12.53) v2(23.16,61.45) v2(23.16,60.99) v2(23.16,60.54) v2(23.16,60.08) v2(23.16,59.62) v2(23.16,59.17) v2(23.16,58.71) v2(23.16,58.25) v2(23.16,57.79) v2(23.16,57.34) v2(23.16,56.88) v2(23.25,9.89) v2(23.37,53.77) v2(23.43,52.23) v2(23.44,35.98) v2(23.45,56.28) v2(23.72,48.84) v2(23.72,48.38) v2(23.72,47.93) v2(23.72,47.47) v2(23.72,47.01) v2(23.72,46.55) v2(23.72,46.1) v2(23.81,34.1) v2(23.91,56.28) v2(23.91,54.04) v2(24.13,52.27) v2(24.18,48.84) v2(24.18,48.39) v2(24.18,47.93) v2(24.18,47.47) v2(24.18,47.02) v2(24.18,46.56) v2(24.18,46.1) v2(24.37,56.28) v2(24.38,53.68) v2(24.63,48.84) v2(24.63,48.39) v2(24.63,47.93) v2(24.63,47.47) v2(24.63,47.02) v2(24.63,46.56) v2(24.63,46.1) v2(24.82,56.28) v2(24.87,53.69) v2(25.09,48.84) v2(25.09,48.39) v2(25.09,47.93) v2(25.09,47.47) v2(25.09,47.02) v2(25.09,46.56) v2(25.09,46.1) v2(25.55,48.84) v2(25.55,48.39) v2(25.55,47.93) v2(25.55,47.47) v2(25.55,47.02) v2(25.55,46.56) v2(25.55,46.1) v2(25.48,10.04) v2(25.55,54.01) v2(25.74,56.28) v2(25.83,28.4) v2(25.8,16.43) v2(26.04,54.74) v2(26.01,48.84) v2(26.01,48.39) v2(26.01,47.93) v2(26.01,47.47) v2(26.01,47.02) v2(26.01,46.56) v2(26.01,46.1) v2(26.25,55.23) v2(26.18,54.15) v2(26.44,25.32) v2(26.51,61.12) v2(26.49,60.67) v2(26.49,60.21) v2(26.49,59.75) v2(26.49,59.29) v2(26.49,58.84) v2(26.49,58.38) v2(26.49,57.92) v2(26.49,57.47) v2(26.49,57.01) v2(26.49,56.55) v2(26.49,56.09) v2(26.49,55.64) v2(26.46,48.84) v2(26.46,48.39) v2(26.46,47.93) v2(26.46,47.47) v2(26.46,47.02) v2(26.46,46.56) v2(26.46,46.1) v2(26.82,49.25) v2(27.1,10.08) v2(27.22,42.11) v2(27.32,52.32) v2(27.3,51.88) v2(27.3,51.4) v2(27.27,24.34) v2(27.59,39.04) v2(27.74,16.4) v2(28.21,60.76) v2(28.21,60.3) v2(28.21,59.84) v2(28.21,59.39) v2(28.21,58.93) v2(28.21,58.47) v2(28.21,58.01) v2(28.21,57.56) v2(28.21,57.1) v2(28.21,56.64) v2(28.21,56.18) v2(28.21,55.73) v2(28.24,49.91) v2(28.53,55.11) v2(28.53,41.01) v2(28.49,38.41) v2(28.52,29.77) v2(28.56,54.04) v2(28.73,54.69) v2(28.73,51.6) v2(28.66,32.96) v2(28.83,53.41) v2(28.76,52.12) v2(28.82,49.89) v2(28.91,28.58) v2(29.03,54.28) v2(29.13,50.73) v2(29.09,37.78) v2(29.19,56.28) v2(29.19,52.62) v2(29.25,53.78) v2(29.32,41.1) v2(29.38,52.05) v2(29.41,51.51) v2(29.4,32.18) v2(29.49,53.31) v2(29.46,49.89) v2(29.65,56.28) v2(29.68,33.96) v2(29.76,52.62) v2(30.05,7.62) v2(30.1,56.28) v2(30.16,51.29) v2(30.56,56.28) v2(30.89,51.34) v2(31.02,56.28) v2(31.1,44.08) v2(31.4,50.26) v2(31.48,56.28) v2(31.6,61.43) v2(31.6,60.97) v2(31.6,60.51) v2(31.6,60.05) v2(31.6,59.6) v2(31.6,59.14) v2(31.6,58.68) v2(31.6,58.23) v2(31.6,57.77) v2(31.6,57.31) v2(31.6,56.85) v2(31.72,43.65) v2(31.93,56.28) v2(32.14,61.45) v2(32.14,60.99) v2(32.14,60.54) v2(32.14,60.08) v2(32.14,59.62) v2(32.14,59.17) v2(32.14,58.71) v2(32.14,58.25) v2(32.14,57.79) v2(32.14,57.34) v2(32.14,56.88) v2(32.39,56.28) v2(32.85,56.28) v2(32.91,50.13) v2(32.86,36.9) v2(32.96,35.45) v2(33.05,7.68) v2(33.01,7) v2(33.13,45.14) v2(33.07,6.17) v2(33.17,43.93) v2(33.31,56.28) v2(33.76,56.28) v2(33.84,49.53) v2(33.79,48.89) v2(34.39,47.11) v2(35.34,45.5) v2(35.33,44.83) v2(35.32,44.17) v2(35.51,43.37) v2(35.88,47.11) v2(36.41,56.48) v2(36.39,39.77) v2(36.84,25.98) v2(37.25,34.95) v2(37.42,47.11) v2(37.43,24.99) v2(37.56,6.8) v2(37.58,5.94) v2(37.73,42.69) v2(37.81,45.17) v2(37.8,41.6) v2(38.27,50.58) v2(38.86,23.97) v2(39.5,40.96) v2(40.23,58.64) v2(40.22,17.72) v2(40.48,43.3) v2(41,28.62) v2(40.97,21.88) v2(41.8,47.2) v2(41.87,29.65) v2(41.93,24.16) v2(42.57,30.69) v2(43.16,28.18) v2(43.88,42.64) v2(43.94,19.4) v2(44.03,22.47) v2(44.46,49.85) v2(44.49,29.3) v2(44.62,45.12) v2(46.77,6.62) v2(47.11,27.38) v2(47.1,19.75) v2(47.18,32.81) v2(47.16,22.31) v2(47.21,20.98) v2(47.15,18.37) v2(47.29,30.49) v2(48.11,42.3) v2(49.02,14.61) v2(49.26,17.86)